# Allegro board RK3588S_Template_LP4XD556P164SD10H2_33X33_2133MHz_H1R0_V10_20220315YWQ.brd (continued)
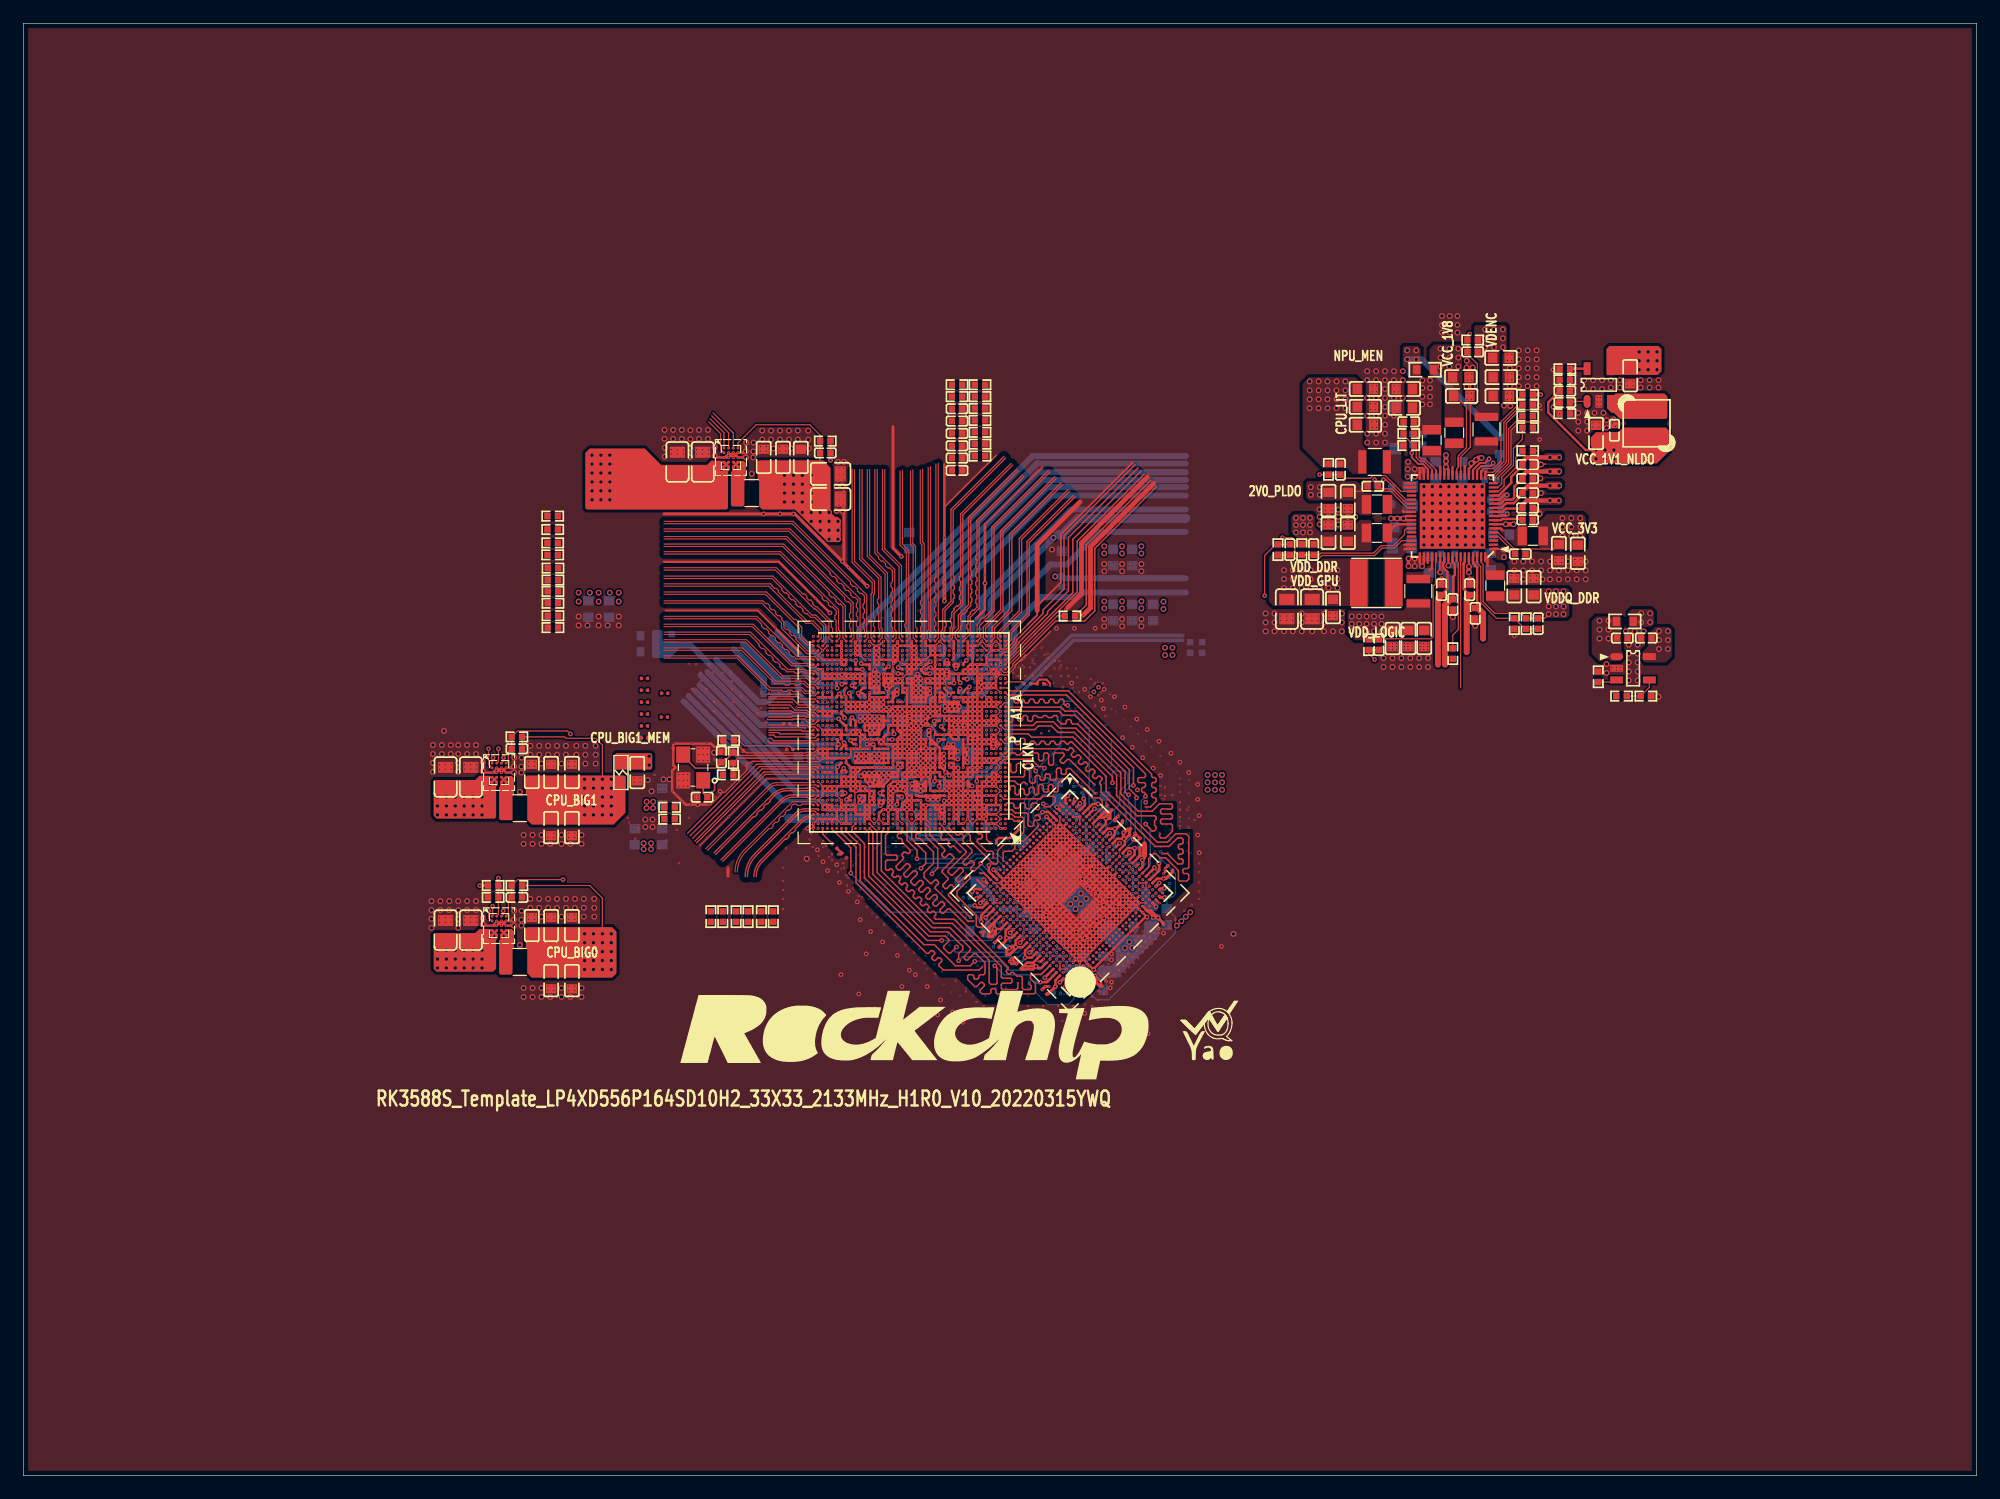
[diagram p0: board, top side]
## Nets (continued)
MIPI_DPHY0_TX_D3P: U1000.BB37(MIPI_DPHY0_TX_D3P/NO_USE)
MIPI_DPHY1_RX_D3P: U1000.BA29(MIPI_DPHY1_RX_D3P/NO_USE)
MIPI_DPHY1_TX_CLKN: U1000.BA19(MIPI_DPHY1_TX_CLKN/MIPI_CPHY1_T)
MIPI_DPHY1_TX_CLKP: U1000.BB19(MIPI_DPHY1_TX_CLKP/MIPI_CPHY1_T)
MIPI_DPHY1_TX_D0N: U1000.BA16(MIPI_DPHY1_TX_D0N/MIPI_CPHY1_TX)
MIPI_DPHY1_TX_D0P: U1000.BB16(MIPI_DPHY1_TX_D0P/MIPI_CPHY1_TX)
MIPI_DPHY1_TX_D1N: U1000.BB17(MIPI_DPHY1_TX_D1N/MIPI_CPHY1_TX)
MIPI_DPHY1_TX_D1P: U1000.BA17(MIPI_DPHY1_TX_D1P/MIPI_CPHY1_TX)
MIPI_DPHY1_TX_D2N: U1000.BB20(MIPI_DPHY1_TX_D2N/MIPI_CPHY1_TX)
MIPI_DPHY1_TX_D2P: U1000.BA20(MIPI_DPHY1_TX_D2P/MIPI_CPHY1_TX)
MIPI_DPHY1_TX_D3N: U1000.BA22(MIPI_DPHY1_TX_D3N/MIPI_CPHY1_TX)
MIPI_DPHY1_TX_D3P: U1000.BB22(MIPI_DPHY1_TX_D3P/NO_USE)
MIPI_MCLK_SL: U1000.AV39(GPIO3_B1_D)
MIPI_TE0: U1000.AV40(GPIO3_C2_D)
OTG0_REXT: R1404.1 U1000.AU7(TYPEC0_USB20_OTG0_REXT)
PCIE20_0_REFCLKN: U1000.K41(PCIE20_0_REFCLKN)
PCIE20_0_REFCLKP: U1000.L42(PCIE20_0_REFCLKP)
PCIE20_0_RXN: U1000.J41(PCIE20_0_RXN/SATA30_0_RXN)
PCIE20_0_RXP: U1000.J42(PCIE20_0_RXP/SATA30_0_RXP)
PCIE20_0_TXN: U1000.H42(PCIE20_0_TXN/SATA30_0_TXN)
PCIE20_0_TXP: U1000.H41(PCIE20_0_TXP/SATA30_0_TXP)
PCIE20_2_REFCLKN: U1000.F42(PCIE20_2_REFCLKN)
PCIE20_2_REFCLKP: U1000.F41(PCIE20_2_REFCLKP)
PCIE20X1_2_CLKREQN_M0: U1000.AU30(GPIO3_C7_U)
PCIE20X1_2_PERSTN_M0: U1000.AY27(GPIO3_D1_D)
PCIE20X1_2_WAKEN_M0: R1930.2
PCIE20X1_2_WAKEN_M0/PWM8_M2: R1930.1 R1931.1 U1000.AW31(GPIO3_D0_U)
PDM0_CLK0_M0: U1000.M41(GPIO1_C6_D)
PDM0_CLK1_M0: U1000.U35(GPIO1_C4_D)
PDM0_SDI0: U1000.P38(GPIO1_D5_D)
PDM0_SDI2_M0: U1000.P40(GPIO1_D2_D)
PHONE_CTL: U1000.AW19(GPIO4_A4_D)
PMIC_EXT_EN_OUT: R2305.1 U2200.39((M\/S)EXT_EN)
PMIC_FB6: C2216.2 R2218.2 R2227.1 U2200.31(FB6)
PMIC_FB9: C2229.2 R2236.2 R2241.1 U2200.66(FB9)
PMIC_INT_L: R2261.2 U1000.W42(GPIO0_A7_U) U2200.19(INT)
PMIC_PWR_CTRL2: R2242.2 U2200.61(PWRCTRL2)
PMIC_PWR_CTRL3: R2290.2 U2200.16((PWRCTRL3)SO)
PMIC_RESET_L: C1110.1 C2262.1 R1104.1 R2263.2 U1000.V42(NPOR) U2200.40(RESETB)
PMIC_SPI_CLK: R1115.2 U2200.17((SCL)CLK)
PMIC_SPI_CS: R2258.1 U1000.W40(GPIO0_B1_Z) U2200.18((IIC/S\P\I\)CS)
PMIC_SPI_MOSI: R1116.2 U1000.Y38(GPIO0_B3_Z) U2200.15((SDA)MOSI)
PMIC_SW1: L2201.1 U2200.50(SW1_1) U2200.51(SW1_2)
PMIC_SW2: L2203.1 U2200.35(SW2_1) U2200.36(SW2_2)
PMIC_SW3: L2205.1 U2200.55(SW3)
PMIC_SW4: L2207.1 U2200.23(SW4)
PMIC_SW5: L2200.2 U2200.45(SW5)
PMIC_SW6: L2202.2 U2200.29(SW6)
PMIC_SW7: L2209.1 U2200.42(SW7)
PMIC_SW8: L2206.2 U2200.6(SW8)
PMIC_SW9: L2204.2 U2200.68(SW9)
PMIC_SW10: L2208.2 U2200.26(SW10)
PMIC_VDC: C2260.1 D2600.2(CATHODE) R2264.2 R2265.2 U2200.32(VDC)
PWM8_M2: R1931.2
PWRON_L: C2261.1 U2200.4(PWRON)
RFU_1: U3700.H1(RFU_1)
RFU_2: U3700.H2(RFU_2)
RFU_3: U3700.H28(RFU_3)
RFU_4: U3700.H29(RFU_4)
RFU_5: U3700.J1(RFU_5)
RFU_6: U3700.J2(RFU_6)
RFU_7: U3700.J28(RFU_7)
RFU_8: U3700.J29(RFU_8)
RFU_9: U3700.K1(RFU_9)
RFU_10: U3700.K2(RFU_10)
RFU_11: U3700.K28(RFU_11)
RFU_12: U3700.K29(RFU_12)
RFU_13: U3700.L1(RFU_13)
RFU_14: U3700.L2(RFU_14)
RFU_15: U3700.L28(RFU_15)
RFU_16: U3700.L29(RFU_16)
RFU_17: U3700.M1(RFU_17)
RFU_18: U3700.M2(RFU_18)
RFU_19: U3700.M28(RFU_19)
RFU_20: U3700.M29(RFU_20)
RFU_21: U3700.N1(RFU_21)
RFU_22: U3700.N2(RFU_22)
RFU_23: U3700.N28(RFU_23)
RFU_24: U3700.N29(RFU_24)
RFU_25: U3700.P1(RFU_25)
RFU_26: U3700.P2(RFU_26)
RFU_27: U3700.P28(RFU_27)
RFU_28: U3700.P29(RFU_28)
RFU_29: U3700.R1(RFU_29)
RFU_30: U3700.R2(RFU_30)
RFU_31: U3700.R28(RFU_31)
RFU_32: U3700.R29(RFU_32)
RFU_33: U3700.T1(RFU_33)
RFU_34: U3700.T2(RFU_34)
RFU_35: U3700.T28(RFU_35)
RFU_36: U3700.T29(RFU_36)
RFU_37: U3700.U1(RFU_37)
RFU_38: U3700.U2(RFU_38)
RFU_39: U3700.U28(RFU_39)
RFU_40: U3700.U29(RFU_40)
RFU_41: U3700.V1(RFU_41)
RFU_42: U3700.V2(RFU_42)
RFU_43: U3700.V28(RFU_43)
RFU_44: U3700.V29(RFU_44)
RFU_45: U3700.W1(RFU_45)
RFU_46: U3700.W2(RFU_46)
RFU_47: U3700.W28(RFU_47)
RFU_48: U3700.W29(RFU_48)
RFU_49: U3700.Y1(RFU_49)
RFU_50: U3700.Y2(RFU_50)
RFU_51: U3700.Y28(RFU_51)
RFU_52: U3700.Y29(RFU_52)
RFU_53: U3700.AA1(RFU_53)
RFU_54: U3700.AA2(RFU_54)
RFU_55: U3700.AA28(RFU_55)
RFU_56: U3700.AA29(RFU_56)
RFU_57: U3700.AB1(RFU_57)
RFU_58: U3700.AB2(RFU_58)
RFU_59: U3700.AB28(RFU_59)
RFU_60: U3700.AB29(RFU_60)
RK803_EN1_FLOOD: U1000.AW26(GPIO4_A7_D)
RK803_EN2_PRO: U1000.AV23(GPIO4_B3_U)
RTC_32K_IN: U1000.AD38(GPIO0_B2_U)
RTC_INT_L: U1000.AC37(GPIO0_B0_Z)
SARADC_VIN0_BOOT: C1500.1 R1501.2 R1502.1 U1000.AW15(SARADC_IN0_BOOT)
SARADC_VIN1_KEY/RECOVERY: C1501.1 R1500.1 U1000.AY13(SARADC_IN1)
SARADC_VIN3_HP_HOOK: C1503.1 U1000.AV13(SARADC_IN3)
SARADC_VIN4_BATT_TC_L: C1504.1 R1506.2 R1508.1 U1000.AY15(SARADC_IN4)
SARADC_VIN5: C1505.1 R1520.1 R1521.1 U1000.AW13(SARADC_IN5)
SARADC_VIN5_HW_ID: R1505.2 R1507.1 R1520.2
SD_CLK: R1320.1 U1000.AR1(GPIO4_D5_D)
SDIO_CLK_M1: R1918.1 U1000.AV38(GPIO3_A5_D)
SDIO_CLK_M1_WIFI: R1918.2
SDIO_CMD_M1_WIFI: U1000.AT39(GPIO3_A4_D)
SDIO_D0_M1_WIFI: U1000.AR38(GPIO3_A0_U)
SDIO_D1_M1_WIFI: U1000.AR37(GPIO3_A1_U)
SDIO_D2_M1_WIFI: U1000.AT38(GPIO3_A2_U)
SDIO_D3_M1_WIFI: U1000.AT40(GPIO3_A3_U)
SDMMC_CLK: R1320.2
SDMMC_CMD: U1000.AU1(GPIO4_D4_U)
SDMMC_D0: U1000.AV2(GPIO4_D0_U)
SDMMC_D1: U1000.AR2(GPIO4_D1_U)
SDMMC_D2: U1000.AV1(GPIO4_D2_U)
SDMMC_D3: U1000.AT1(GPIO4_D3_U)
SDMMC_DET_L: U1000.AC38(GPIO0_A4_U)
SDMMC_PWREN: U1000.AV27(GPIO4_B4_U)
SL_PWREN: U1000.AW39(GPIO3_C3_D)
SLEEP1_RESET1_DEVOFF1_VSEL1: U1000.W41(GPIO0_A2_D) U2200.62(PWRCTRL1)
SPI2_CLK_M2: R1115.1 U1000.Y39(GPIO0_A5_D)
SPI2_MOSI_M2: R1116.1 U1000.W39(GPIO0_A6_Z)
SPI4_MISO_M2_TP: U1000.G40(GPIO1_A0_D)
SPI4_MOSI_M2_TP: U1000.L40(GPIO1_A1_D)
SPK_CTL_H: U1000.AU15(GPIO4_A5_D)
TP_INT_L: U1000.D40(GPIO1_B5_U)
TP_RST_L: U1000.M39(GPIO1_B4_U)
TSADC_SHUT: R1104.2 U1000.AC39(GPIO0_A1_Z)
TYPEC0_DP0_REXT: R1400.1 U1000.AW11(TYPEC0_DP0_REXT)
TYPEC0_OTG_DM: U1000.AY10(TYPEC0_USB20_OTG_DM)
TYPEC0_OTG_DP: U1000.AY11(TYPEC0_USB20_OTG_DP)
TYPEC0_OTG_VBUSDET: U1000.AV10(TYPEC0_USB20_VBUSDET)
TYPEC0_SBU1: U1000.BA8(TYPEC0_SBU1/DP0_AUXP)
TYPEC0_SBU1_DC: U1000.AV19(GPIO4_A0_D)
TYPEC0_SBU2: U1000.BB8(TYPEC0_SBU2/DP0_AUXN)
TYPEC0_SBU2_DC: U1000.AW18(GPIO4_A1_D)
TYPEC0_SSRX1N: U1000.BA10(TYPEC0_SSRX1N/DP0_TX0N)
TYPEC0_SSRX1P: U1000.BB10(TYPEC0_SSRX1P/DP0_TX0P)
TYPEC0_SSRX2N: U1000.BA13(TYPEC0_SSRX2N/DP0_TX2N)
TYPEC0_SSRX2P: U1000.BB13(TYPEC0_SSRX2P/DP0_TX2P)
TYPEC0_SSTX1N: U1000.BA11(TYPEC0_SSTX1N/DP0_TX1N)
TYPEC0_SSTX1P: U1000.BB11(TYPEC0_SSTX1P/DP0_TX1P)
TYPEC0_SSTX2N: U1000.BA14(TYPEC0_SSTX2N/DP0_TX3N)
TYPEC0_SSTX2P: U1000.BB14(TYPEC0_SSTX2P/DP0_TX3P)
TYPEC0_USB20_OTG_ID: U1000.AW10(TYPEC0_USB20_OTG_ID)
UART2_RX_M0: U1000.AH40(GPIO0_B6_D)
UART2_TX_M0: U1000.AH39(GPIO0_B5_D)
UART9_CTSN_M2_BT: U1000.AY31(GPIO3_D3_D)
UART9_RTSN_M2_BT: U1000.AY30(GPIO3_D2_D)
UART9_RX_M2_BT: U1000.AV31(GPIO3_D4_D)
UART9_TX_M2_BT: U1000.AW30(GPIO3_D5_D)
USB20_HOST0_DM: U1000.AV6(USB20_HOST0_DM)
USB20_HOST0_DP: U1000.AW6(USB20_HOST0_DP)
USB20_HOST1_DM: U1000.AW7(USB20_HOST1_DM)
USB20_HOST1_DP: U1000.AV7(USB20_HOST1_DP)
USB30_2_SSRXN: U1000.C42(PCIE20_2_RXN/SATA30_2_RXN/USB30)
USB30_2_SSRXP: U1000.D42(PCIE20_2_RXP/SATA30_2_RXP/USB30)
USB30_2_SSTXN: U1000.D41(PCIE20_2_TXN/SATA30_2_TXN/USB30)
USB30_2_SSTXP: U1000.E41(PCIE20_2_TXP/SATA30_2_TXP/USB30)
USB_AVDD_1V8: C1406.1 R1401.1 R1402.1 U1000.AT13(USB20_AVDD_1V8_1) U1000.AT14(USB20_AVDD_1V8_2)
USB_HOST_PWREN_H: U1000.AU23(GPIO4_B5_D)
VSEL2: U1000.AD39(GPIO0_A3_D) U2300.A1(VSEL)
VSEL3: U1000.AM38(GPIO0_C1_D) U2302.A1(VSEL)
VSEL4: R2290.1 U1000.AG36(GPIO0_C2_D)
VSEL5: R2242.1 U1000.AH38(GPIO0_C3_D)
VSEL6: U1000.AG42(GPIO0_D6_D) U2301.A1(VSEL)
WIFI_REG_ON_H: U1000.AL40(GPIO0_C7_D)
WIFI_WAKE_HOST_H: U1000.W38(GPIO0_A0_D)
XIN: C1112.1 R1102.2 U1000.T41(XIN_24M) Y1100.3(X2)
XOUT: R1100.2 R1102.1 U1000.T42(XOUT_24M)
N30600922: R1202.1 U1000.A5(DDR_CH1_ZQ_C)
N30600936: R1200.1 U1000.AM1(DDR_CH0_ZQ_A)
N30601110: R1201.1 U1000.C1(DDR_CH0_ZQ_B)
N30601240: R1203.1 U1000.A40(DDR_CH1_ZQ_D)
N30910269: C2265.1 U2200.8(NLDO5)
N30961579: L2302.1 U2302.D3(SW_1) U2302.D4(SW_2) U2302.E3(SW_3) U2302.E4(SW_4)
N30962042: C2329.1 R2305.2 U2303.1(EN)
N30962062: C2326.2 R2306.2 R2307.1 U2303.5(FB/OUT)
N30962090: L2303.1 U2303.3(LX)
N30962978: L2301.1 U2301.D3(SW_1) U2301.D4(SW_2) U2301.E3(SW_3) U2301.E4(SW_4)
N30963105: L2300.1 U2300.D3(SW_1) U2300.D4(SW_2) U2300.E3(SW_3) U2300.E4(SW_4)
N31111434: R1305.1 U1000.AB42(GPIO2_D4_U)
N31111436: R1330.1 U1000.AD42(GPIO2_D5_U)
N31111592: R1309.1 U1000.AB41(GPIO2_A1_D)
N32124849: R2309.2 R2310.1 U2304.4(EN)
N32124977: R2311.1 U2304.3(OCB)
N33168727: R3718.2 U3700.AE15(ZQ0_D)
N33169667: R3712.2 U3700.D23(CKE0_C)
N33169678: R3714.2 U3700.E23(CKE1_C)
N33169951: R3713.1 U3700.AF23(CKE0_D)
N33169953: R3715.1 U3700.AE23(CKE1_D)
N33169993: R3716.2 U3700.E24(ODT_CA_C)
N33170017: R3717.1 U3700.AE24(ODT_CA_D)
N33173462: R3701.2 U3700.D7(CKE0_A)
N33173464: R3703.2 U3700.E7(CKE1_A)
N33173504: R3706.2 U3700.E6(ODT_CA_A)
N33173540: R3708.2 U3700.E15(ZQ0_A)
N33173546: R3710.2 U3700.D15(ZQ1_A)
N33173586: R3707.1 U3700.AE6(ODT_CA_B)
N33173683: R3704.1 U3700.AE7(CKE1_B)
N33173685: R3702.1 U3700.AF7(CKE0_B)
N33173757: R3719.2 U3700.AF15(ZQ1_D)
N64919975: C1111.1 R1100.1 Y1100.1(X1)

Pads without a net: U1000 AH37 AK9 B13 B25 P1; U2200 2 3 38 47 48; U3700 A1 A29 AG15 AH15 AJ1 AJ29 B15

## Via types
v1: diameter 0.2, hole 0.1, TOP to L3-S1, 1463 vias
v2: diameter 0.4, hole 0.2, L3-S1 to L8-S3, 580 vias
v3: diameter 0.2, hole 0.1, L8-S3 to BOTTOM, 900 vias
v4: diameter 0.4, hole 0.2, TOP to BOTTOM, 418 vias
v5: diameter 0.5, hole 0.3, TOP to BOTTOM, 798 vias
v6: diameter 0.2, hole 0.1, L8-S3 to L9-GND3, 551 vias
v7: diameter 0.2, hole 0.1, TOP to L2-GND1, 697 vias
v8: diameter 0.2, hole 0.1, L2-GND1 to L3-S1, 864 vias
v9: diameter 0.2, hole 0.1, L7-GND2 to BOTTOM, 4 vias
v10: diameter 0.2, hole 0.1, L9-GND3 to BOTTOM, 415 vias

## Routing (per net, layer and track width the routed paths; a pad name or vN(x,y) marks a point on that pad's centre or on a via; arc(x,y) is an arc through that point)
AVDD1V8_DDR_PLL_S0: length 38.1
  TOP w0.203: v4(78.23,58.9) 78.23,58.95 78.29,59.01 U1000.L15 ; v4(78.19,62.85) 78.34,62.85 78.39,62.9 U1000.Y14
  L8-S3 w0.203: v4(78.19,62.85) 78.19,62.86 78.7,63.37 79.44,63.37 79.84,62.97 79.84,62.46 80.25,62.05 80.25,61.51 80.24,61.51 80.24,60.77 80.26,60.75 80.26,60.29 78.88,58.9 v4(78.23,58.9)
  BOTTOM w0.254: 80.38,59.03 78.36,59.03 v4(78.23,58.9)
  BOTTOM w0.279: C1209.1 77.95,62.45 78.19,62.69 v4(78.19,62.85)
  BOTTOM w0.305: v4(78.23,58.9) 78.39,58.75 C1214.1 ; 80.38,59.03 81.14,59.79 82.45,59.79 84.41,61.75 84.41,66.06 89.72,71.37 99.06,71.37
GND: length 2668.9
  TOP w0.064: 91.19,51.05 91.02,50.89 v1(91.02,50.83) ; v7(92.51,57.51) 92.51,57.34 v7(92.6,57.25) ; v7(92.52,42.23) 91.54,43.22 v4(91.45,43.22)
  TOP w0.089: v1(60.27,56.31) v1(61.54,57.58) v1(62.43,58.47) v1(63.32,59.36)
  TOP w0.102: v7(72.29,56.1) v7(72.69,55.7) v7(73.09,56.1) v7(73.49,55.7) ; 84.96,69.47 84.96,69.44 84.73,69.22 ; 84.96,69.47 85.09,69.6 ; 84.96,69.47 84.73,69.24 84.73,69.22 ; v2(95.35,50.63) v1(95.91,50.63) v7(95.91,50.07) ; 85.09,69.6 85.6,70.1 ; 85.09,69.6 85.22,69.6 v7(85.47,69.85) 85.6,69.98 85.6,70.1 ; 85.6,70.1 85.73,70.1 87.76,72.14 ; U1000.Y3 v1(83.49,62.5) v7(83.09,62.1) ; v7(68.29,57.3) v7(67.89,57.7) v1(68.29,58.1) ; v7(66.78,63.85) 66.74,63.9 63.69,63.9 ; 64.5,66.76 63.8,66.76 ; 64.5,66.76 v7(64.59,66.85) 64.69,66.76 ; 64.5,66.76 64.69,66.76 ; 63.8,66.76 v1(63.7,66.85) 63.61,66.76 63.8,66.76 ; v7(83.49,70.51) 83.59,70.61 83.99,70.61 84.6,71.22 84.6,71.36 v1(84.63,71.38) 84.63,71.54 85.81,72.72 ; v7(83.49,66.1) v7(83.09,65.7) v7(83.49,65.3) 83.11,64.92 v1(83.08,64.92) 83.08,64.91 v7(83.49,64.5) v7(83.09,64.1) v7(83.49,63.7) v1(83.09,63.3) ; v1(125.98,85.17) 125.98,85.28 127.1,86.4 127.1,89.33 127.82,90.04 129.67,90.04 ; v1(74.29,68.9) 74.29,69.31 v1(74.37,69.39) ; v1(78.69,67.7) 79.13,67.26 v1(79.22,67.26) ; v1(67.89,59.3) v7(68.29,58.9) ; U1000.C24 v7(75.09,55.7) ; v7(83.09,58.1) v7(83.49,58.5) U1000.K3 ; 65.58,66.76 v7(65.48,66.85) 65.39,66.76 ; 65.58,66.76 66.37,66.76 v7(66.5,66.63) ; 65.58,66.76 65.39,66.76 ; v7(65.35,65.58) v1(64.06,65.58) 63.69,65.58 ; v1(58.5,57.33) 58.71,57.33 59.61,58.23 59.61,58.37 59.6,58.38 59.94,58.38 61.8,60.24 v1(61.8,60.88) 62.13,60.88 62.28,61.04 v1(63.35,61.04) v1(64.11,61.04) 64.44,61.04 64.47,61.01 68,61.01 v7(68.29,61.3) ; U1000.B3 v7(83.49,55.3) ; v1(82.69,68.9) U1000.AT5 ; v1(67.06,59.48) 67.01,59.53 63.49,59.53 v1(63.32,59.36) ; v1(81.89,66.9) 82.29,66.51 v1(82.29,66.5) ; v7(77.09,69.7) 77.49,70.1 ; U1000.C41 v1(67.49,55.7) 67.42,55.63 67.18,55.63 67.01,55.45 v4(67.01,55.3) 67.49,55.3 v7(67.49,55.3) 67.49,55.05 v1(67.31,54.86) ; 65.39,66.76 64.69,66.76 ; v7(89.69,56.29) v1(90.26,56.29) v2(90.26,55.72) ; v7(65.53,65.1) 63.69,65.1 ; v7(68.29,70.5) v7(67.89,70.9) ; v7(68.29,70.5) v7(67.89,70.1) v7(68.29,69.7) ; v7(68.29,70.5) v7(68.69,70.9) ; v1(71.89,69.7) v1(71.49,70.1) ; v7(82.29,70.9) v7(81.89,71.3) v7(81.49,70.9) ; v7(67.89,64.1) v7(68.29,63.7) ; v7(83.49,70.9) v1(83.09,71.3) v7(82.69,70.9) ; v1(71.09,57.3) 71.04,57.35 71.04,58.43 71.12,58.5 ; v7(77.89,70.9) v1(78.29,71.3) v7(78.69,70.9) ; v4(125.37,85.24) 125.37,85.25 126.7,86.57 126.7,89.91 127.85,91.06 129.79,91.06 ; v1(75.89,56.9) v1(76.29,56.5) 76.29,56.42 ; v7(89.13,43.28) v1(88.56,43.28) v2(88.56,43.84) ; v7(66.17,64.39) 66.13,64.36 ; v1(69.89,57.7) v1(69.49,58.1) ; v1(72.29,71.3) v7(72.69,70.9) ; v7(65.64,66.09) 63.69,66.09 ; 61.56,61.89 61.16,62.28 v1(59.45,62.28) ; v7(90.26,43.84) v7(90.26,43.28) ; U1000.T2 v7(83.09,60.9) v7(83.49,60.5) v1(83.09,60.1) v7(83.49,59.7) v1(83.49,59.3) ; v1(61.47,61.82) 61.69,61.82 61.77,61.75 66.87,61.75 66.92,61.79 67.1,61.79 67.11,61.78 67.57,61.78 v7(67.89,62.1) ; v7(82.9,49.5) v1(82.9,48.94) v2(83.47,48.94) ; v7(83.09,67.3) v7(83.49,66.9) ; v7(77.49,55.7) v7(77.09,56.1) ; v1(80.29,55.7) v1(80.69,56.1) v7(81.09,55.7) v1(81.49,56.1) ; v1(63.45,64.41) 63.47,64.39 63.5,64.39 63.53,64.36 ; v1(83.09,68.1) U1000.AP2 ; v4(75.18,58.57) 75.4,58.13 v1(75.49,58.1) ; v1(76.29,56.1) v7(75.89,55.7) v7(75.49,56.1) ; v1(60.27,56.31) 57.77,53.81 ; v7(88.56,55.72) v1(88.56,56.29) ; v1(75.09,68.1) v1(75.49,68.5) ; v1(82.69,70.5) v1(82.29,70.1) ; v1(77.89,63.7) v1(77.49,64.1) ; U1000.AM41 v7(68.29,68.1) ; v7(83.49,56.9) v7(83.09,56.5) v7(83.49,56.1) 83.09,55.7 v1(83.09,55.7) ; 81.09,61.1 v1(81.2,61.21) 81.29,61.3 ; v7(73.09,70.9) v1(73.49,71.3) ; v7(95.35,48.94) v7(95.91,48.94) ; v1(82.9,50.63) v7(83.47,50.63) ; 84.73,69.22 84.73,69.06 84.09,68.41 83.58,68.41 v7(83.5,68.5) 83.49,68.5 v7(83.09,68.9) v1(83.49,69.3) ; v1(74.69,69.7) v1(75.09,69.3) ; v1(69.89,55.7) U1000.C37
  TOP w0.104: C2255.2 v5(129.67,86.39) ; C2237.2 126.96,91.46 v5(127.04,91.39)
  TOP w0.122: v1(89.03,74.04) 89.09,74.04 89.22,74.17
  TOP w0.127: v1(82.17,81.28) 87.06,86.17 ; 78.69,82.75 83.12,87.19
  TOP w0.152: U1000.V34 v1(70.69,61.45) 70.54,61.3 v1(70.29,61.3) ; v7(81.99,46.1) 81.99,46.39 C3775.2 ; v1(70.14,67.07) 70.14,66.73 70.29,66.58 v7(70.29,66.5) ; v1(40.07,60.07) 40.44,60.45 40.44,60.47 ; C1252.2 87.31,67.66 v1(87.4,67.56) ; v7(64.26,72.39) 62.74,73.91 54.86,73.91 ; 40.07,46.99 v1(40.44,47.36) U2300.B2 ; 59.9,87 60.25,87.34 U2302.B2 ; 86.61,73.91 86.61,73.53 85.81,72.72 ; 94.79,86.56 88.65,80.41 88.65,76.33 86.61,74.3